# KiCad board k30p-VME.kicad_pcb (continued)
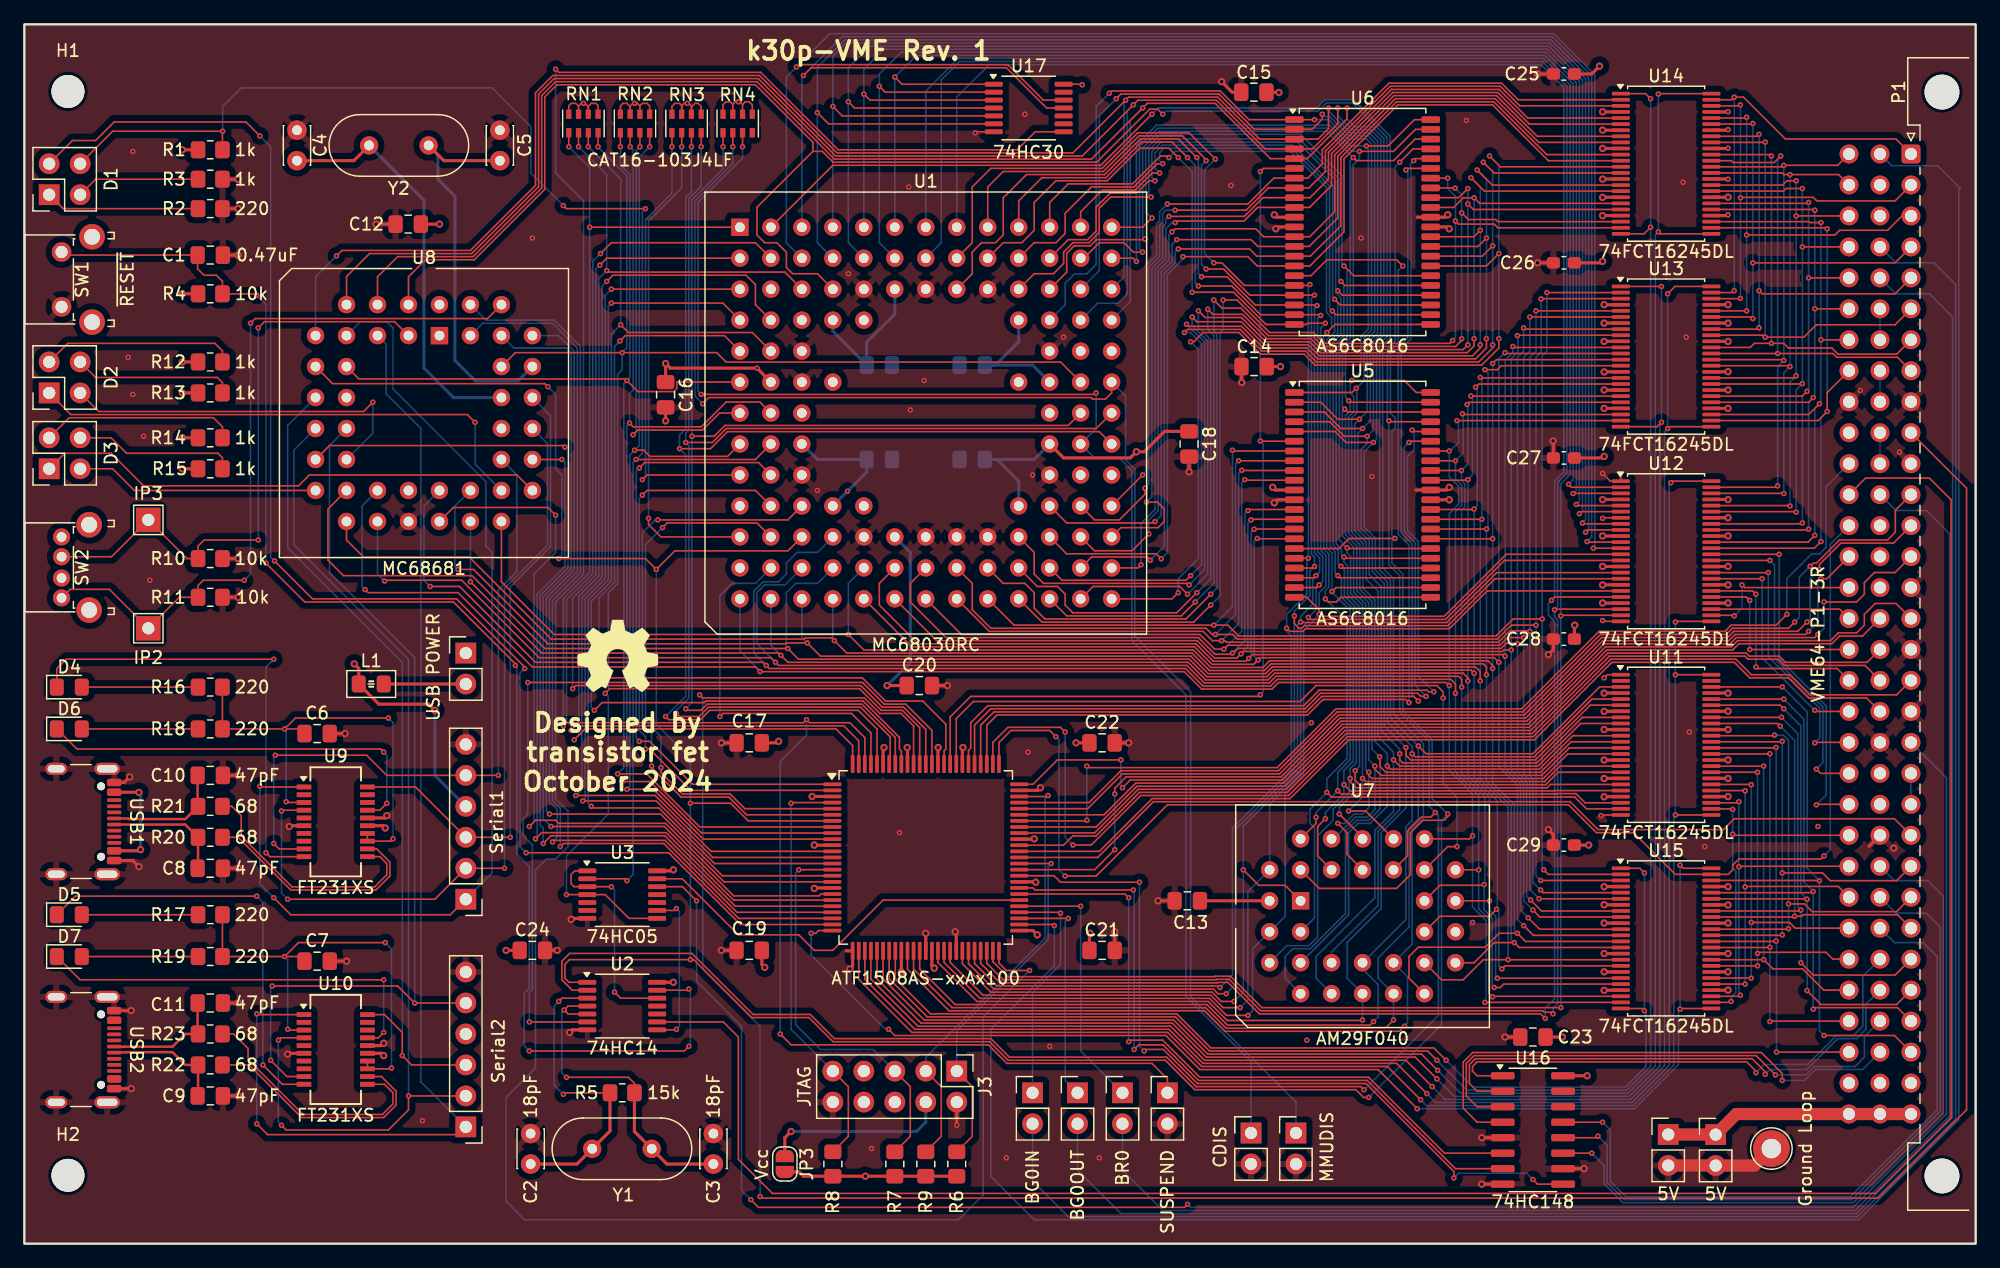
[diagram p0: board, top side]
## Routing (per net, layer and track width the routed paths; a pad name or vN(x,y) marks a point on that pad's centre or on a via; arc(x,y) is an arc through that point) (continued)
~{VBR}: length 21.8
  Top w0.127: v1(86.61,27.67) U4.55
  Bottom w0.127: v1(86.61,27.67) 86.61,15.8 JP7.1
~{VDS0}: length 84.9
  Top w0.127: U4.71 87.19,35.67 90.04,38.53 102.94,38.53 107.76,43.36 122.98,43.36 129.33,49.71 139.66,49.71 140.17,50.22 145.42,50.22 v1(146.18,50.98) ; P1.a13 153.26,57.45 148.95,57.45 147.19,55.7 v1(147.19,55.3)
  Bottom w0.127: v1(146.18,50.98) 146.43,51.23 146.43,54.53 v1(147.19,55.3)
~{VDS1}: length 86.6
  Top w0.127: U4.72 87.3,36.17 89.92,38.79 102.83,38.79 107.66,43.61 122.88,43.61 129.23,49.96 139.55,49.96 140.06,50.47 144.65,50.47 v1(145.16,50.98) ; v1(146.43,55.55) 146.69,55.8 146.94,55.8 148.84,57.71 152.78,57.71 153.42,58.34 153.42,60.15 P1.a12
  Bottom w0.127: v1(145.16,50.98) 145.54,51.36 145.54,54.66 v1(146.43,55.55)
~{VDTACK}: length 81.3
  Top w0.127: P1.a16 153.47,52.5 151.76,52.5 150.88,51.61 150.88,50.72 150.24,50.09 148.74,50.09 148.1,49.45 140.48,49.45 139.98,48.95 129.65,48.95 123.3,42.6 108.08,42.6 103.25,37.77 91.12,37.77 88.53,35.17 U4.70
~{VIACK}: length 33.8
  Top w0.127: U4.56 70.41,28.17 66.29,24.05 64.77,24.05 63.5,25.32 58.55,25.32 53.95,29.93 U3.13
~{VIPL0}: length 63.7
  Top w0.127: U4.60 84.43,30.17 84.96,29.64 v1(91.44,29.64) ; v1(91.82,15.8) 91.95,15.93 93.39,15.93 96.18,13.13 110,13.13 117.22,5.91 v1(117.22,5.39) ; U16.9 124.08,4.88 v1(123.7,5.26)
  Bottom w0.127: v1(123.7,5.26) 123.19,5.77 117.6,5.77 v1(117.22,5.39) ; v1(91.44,29.64) 91.44,16.18 v1(91.82,15.8)
~{VIPL1}: length 57.1
  Top w0.127: v1(90.93,29.01) 82.87,29.01 82.71,29.17 U4.58 ; U16.7 117.35,6.15 110.11,13.39 96.29,13.39 93.37,16.31 91.38,16.31 v1(91,15.93)
  Bottom w0.127: v1(90.93,29.01) 91,28.94 v1(91,15.93)
~{VIPL2}: length 55.5
  Top w0.127: v1(90.55,16.56) 90.68,16.69 93.35,16.69 96.39,13.64 110.24,13.64 116.46,7.42 U16.6 ; v1(90.55,28.37) 90.25,28.67 U4.57
  Bottom w0.127: v1(90.55,16.56) v1(90.55,28.37)
~{VLWORD}: length 114.6
  Top w0.127: v1(147.57,31.8) 147.32,31.55 140.59,31.55 140.08,31.04 140.08,30.66 139.71,30.28 U15.47 135.37,30.28 131.95,33.71 128.91,33.71 126.62,35.99 93.73,35.99 87.88,30.15 v1(85.34,30.15) ; v1(84.58,41.58) 84.07,42.09 80.9,42.09 79.91,41.1 U4.76
  Bottom w0.127: v1(147.57,31.8) 148.08,32.31 148.08,57.35 P1.c13 ; v1(85.34,30.15) 84.84,30.66 84.84,41.33 v1(84.58,41.58)
~{VSYSRESET}: length 180.7
  Top w0.127: U2.9 57.31,18.18 58.55,16.94 58.55,6.91 61.34,4.11 151.76,4.11 157.99,10.34 157.99,61.01 156.21,62.79 150.98,62.79 P1.c12
~{VWRITE}: length 85.8
  Top w0.127: U4.75 82.71,37.67 84.71,39.67 v1(89.92,39.67) ; v1(147.07,49.96) 146.81,49.71 140.38,49.71 139.87,49.2 129.54,49.2 123.19,42.85 107.97,42.85 103.15,38.02 90.68,38.02 v1(90.04,37.39) ; v1(147.57,52.63) 150.24,52.63 150.88,53.26 150.88,54.22 151.7,55.04 153.39,55.04 P1.a14
  Bottom w0.127: v1(147.57,52.63) 147.57,50.47 v1(147.07,49.96) ; v1(90.04,37.39) 89.92,37.52 v1(89.92,39.67)
~{WR}: length 284.4
  Top w0.127: U2.1 44.66,21.43 44.32,21.77 44.32,22.91 44.7,23.29 v1(54.61,23.29) 54.89,23.29 59.64,18.54 64.34,18.54 66.32,16.56 79.14,16.56 80.67,15.04 93.56,15.04 95.97,12.62 109.18,12.62 109.81,11.99 v1(110.24,11.99) ; v1(43.81,56.19) 50.93,56.19 v1(51.82,55.3) 53.34,56.82 62.61,56.82 U1.L3 ; U6.17 105.5,79.39 106.81,80.7 112.52,80.7 v1(113.03,80.19) ; U8.9 25.27,70.54 42.67,70.54 v1(42.93,70.28) ; U7.31 106.17,29.13 112.52,29.13 113.67,30.28 113.67,33.71 114.68,34.72 116.41,34.72 116.71,35.02 v1(116.71,35.23) ; v1(54.61,36.12) 57.91,36.12 59.36,34.67 U4.7 ; v1(112.39,57.84) 108.63,57.84 107.8,57.01 U5.17
  Bottom w0.127: v1(43.81,56.19) 44.07,56.44 44.07,63.04 43.56,63.55 43.56,69.65 v1(42.93,70.28) ; v1(110.24,11.99) 116.2,17.96 116.2,34.72 v1(116.71,35.23) 115.44,36.5 115.44,41.3 113.03,43.72 113.03,54.92 112.14,55.8 112.14,57.58 v1(112.39,57.84) 112.14,58.09 112.14,66.6 112.39,66.85 112.39,67.74 112.01,68.12 112.01,73.22 112.65,73.86 112.65,79.81 v1(113.03,80.19) ; v1(54.61,23.29) v1(54.61,36.12) 54.61,39.8 51.82,42.6 v1(51.82,55.3)
Net-(C1-Pad1): length 118.1
  Top w0.127: v1(54.48,16.18) 54.1,15.8 v1(41.4,15.8) ; U2.13 54.39,20.78 v1(54.48,20.88) ; SW1.2 3.3,81.08 C1.1 14.2,79.96 14.73,79.43 15.75,79.43 16.24,78.93 R4.2 18.92,77.9 v1(19.05,77.78) ; v1(19.81,55.8) 22.99,52.63 35.18,52.63 40.26,47.55 v1(40.26,47.42)
  Bottom w0.127: v1(19.81,55.8) 19.81,77.01 v1(19.05,77.78) ; v1(40.26,47.42) 40.39,47.3 40.39,31.95 41.4,30.94 41.4,20.95 40.98,20.54 40.98,16.22 v1(41.4,15.8) ; v1(54.48,20.88) 54.61,20.75 54.61,16.31 v1(54.48,16.18)
Net-(C2-Pad1): length 25.2
  Top w0.127: v1(43.81,19.86) 44.08,20.13 U2.3 ; v1(44.2,12.24) 44.32,12.37 R5.2
  Top w0.254: C2.1 45.31,6.53 Y1.1 48.02,9.24 R5.2
  Bottom w0.127: v1(43.81,19.86) 43.43,19.48 43.43,13 v1(44.2,12.24)
Net-(C3-Pad1): length 27.1
  Top w0.127: v1(44.45,13.64) 49.53,13.64 50.02,13.15 R5.1 ; U2.5 44.59,18.83 v1(44.26,19.16) 44.58,19.48 U2.4
  Top w0.254: C3.1 52.69,6.53 Y1.2 50.02,9.19 R5.1
  Bottom w0.127: v1(44.26,19.16) 44.07,18.97 44.07,14.02 v1(44.45,13.64)
Net-(D1-K1): length 10.2
  Top w0.127: R3.2 5.84,87.3 D1.2
Net-(D1-K2): length 12.7
  Top w0.127: D1.4 3.18,84.89 R2.2
Net-(D2-A1): length 13.2
  Top w0.127: D2.1 5.84,71.04 15.81,71.04 16.24,70.62 R13.1
Net-(D2-A2): length 16
  Top w0.127: D2.3 3.56,73.84 15.62,73.84 16.24,73.22 R12.1
Net-(D2-K1): length 30.5
  Top w0.127: D2.2 6.1,68.25 27.81,68.25 v1(28.58,69.01)
  Bottom w0.127: v1(28.58,69.01) 28.58,66.47 U8.16
Net-(D2-K2): length 42.4
  Top w0.127: D2.4 3.81,68 36.32,68 v1(36.96,67.36)
  Bottom w0.127: U8.30 36.96,63.93 v1(36.96,67.36)
Net-(D3-A1): length 13.3
  Top w0.127: R15.1 16.24,64.46 15.88,64.82 8.38,64.82 7.11,66.09 D3.1
Net-(D3-A2): length 16.1
  Top w0.127: D3.3 3.68,67.74 15.49,67.74 16.24,67 R14.1
Net-(D3-K1): length 20
  Top w0.127: D3.2 7.24,63.55 9.02,61.77 U8.17
Net-(D3-K2): length 42.1
  Top w0.127: D3.4 3.3,64.82 7.11,64.82 9.78,62.15 22.48,62.15 23.37,63.04 40.39,63.04 U8.29
Net-(D4-A): length 9.5
  Top w0.127: R16.2 D4.2
Net-(D4-K): length 39
  Top w0.127: v1(19.81,32.06) 20.13,31.74 U9.10 ; v1(20.45,47.93) 3.43,47.93 2.66,47.16 D4.1
  Bottom w0.127: v1(19.81,32.06) 19.81,47.3 v1(20.45,47.93)
Net-(D5-A): length 9.5
  Top w0.127: R17.2 D5.2
Net-(D5-K): length 35.1
  Top w0.127: D5.1 4.18,28.5 v1(19.05,28.5) ; U10.10 21.15,13.07 v1(19.56,14.66)
  Bottom w0.127: v1(19.05,28.5) 19.56,27.99 v1(19.56,14.66)
Net-(D6-A): length 9.5
  Top w0.127: R18.2 D6.2
Net-(D6-K): length 33.7
  Top w0.127: D6.1 4.31,40.56 29.21,40.56 v1(29.46,40.31) ; U9.17 29.15,35.55 v1(29.72,36.12)
  Bottom w0.127: v1(29.46,40.31) 29.72,40.06 v1(29.72,36.12)
Net-(D7-A): length 9.5
  Top w0.127: R19.2 D7.2
Net-(D7-K): length 33.4
  Top w0.127: v1(29.46,17.32) 29.02,16.88 U10.17 ; D7.1 4.56,21.64 v1(29.46,21.64)
  Bottom w0.127: v1(29.46,17.32) v1(29.46,21.64)
Net-(J3-Pin_4): length 15.2
  Top w0.254: JP3.1 62.36,8.69 v2(62.86,9.19)
  Bottom w0.254: v2(62.86,9.19) 73.15,9.19 73.91,9.96 J3.4
Net-(JP4-B): length 6.7
  Top w0.254: JP4.2 L1.2
Net-(P1A-~{IACKIN}): length 2.5
  Bottom w0.127: P1.a21 P1.a22
Net-(P1A-~{IACK}): length 163.4
  Top w0.127: U3.12 53.96,29.28 v1(55.12,28.12) ; v1(59.56,3.61) 60.2,2.97 95.12,2.97 v1(95.38,3.23)
  Bottom w0.127: v1(59.56,3.61) 58.8,4.37 58.8,17.83 55.12,21.51 v1(55.12,28.12) ; P1.a20 157.61,38.2 157.61,10.64 149.94,2.97 95.63,2.97 v1(95.38,3.23)
Net-(P1B-~{BG1IN}): length 2.5
  Bottom w0.127: P1.b6 P1.b7
Net-(P1B-~{BG2IN}): length 2.5
  Bottom w0.127: P1.b8 P1.b9
Net-(P1B-~{BG3IN}): length 2.5
  Bottom w0.127: P1.b10 P1.b11
Net-(P1B-~{IRQ1}): length 44.2
  Top w0.127: U16.4 119.13,9.96 117.98,11.1 117.98,14.89 118.77,15.67 142.43,15.67 144.14,13.96 v1(144.14,13.39)
  Bottom w0.127: v1(144.14,13.39) 145.98,13.39 146.87,14.28 150.73,14.28 P1.b30
Net-(P1B-~{IRQ2}): length 43.7
  Top w0.127: v1(143.58,13.84) 142.01,15.42 118.87,15.42 118.24,14.78 118.24,12.12 119.13,11.23 U16.3
  Bottom w0.127: P1.b29 150.88,16.97 150.88,15.29 150.11,14.53 146.77,14.53 146.08,13.84 v1(143.58,13.84)
Net-(P1B-~{IRQ3}): length 43.1
  Top w0.127: U16.2 119.13,12.5 118.49,13.13 118.49,14.68 118.98,15.16 141.68,15.16 142.75,14.1 v1(142.75,13.89)
  Bottom w0.127: P1.b28 151,19.63 151,17.58 150.24,16.81 148.7,16.81 146.16,14.28 143.13,14.28 v1(142.75,13.89)
Net-(P1B-~{IRQ4}): length 43.3
  Top w0.127: U16.1 119.13,13.77 118.74,14.15 118.74,14.53 119.13,14.91 141.22,14.91 141.99,14.15 v1(141.99,14.02)
  Bottom w0.127: P1.b27 150.75,21.92 150.75,17.83 149.99,17.07 148.59,17.07 146.21,14.69 142.66,14.69 v1(141.99,14.02)
Net-(P1B-~{IRQ5}): length 56.8
  Top w0.127: v1(129.41,9.96) U16.13
  Bottom w0.127: v1(129.41,9.96) 130.05,9.32 130.05,5.11 131.3,3.86 149.73,3.86 156.85,10.97 156.85,23.55 155.7,24.69 153.34,24.69 P1.b26
Net-(P1B-~{IRQ6}): length 59
  Top w0.127: U16.12 128.91,8.69 v1(129.03,8.81)
  Bottom w0.127: v1(129.03,8.81) 129.79,8.05 129.79,5 131.19,3.61 149.84,3.61 157.1,10.87 157.1,25.96 155.96,27.1 153.47,27.1 P1.b25
Net-(P1B-~{IRQ7}): length 60.8
  Top w0.127: v1(128.52,7.42) U16.11
  Bottom w0.127: P1.b24 153.34,29.77 156.08,29.77 157.35,28.5 157.35,10.74 149.97,3.35 131.09,3.35 129.54,4.9 129.54,6.4 v1(128.52,7.42)
Net-(RN2-R3.1): length 34.5
  Top w0.127: v1(50.47,89.97) RN2.3 ; U1.G1 57,68.12 55.6,66.73 50.29,66.73 v1(49.91,66.34)
  Bottom w0.127: v1(49.91,66.34) 50.17,66.6 50.17,89.66 v1(50.47,89.97)
Net-(RN3-R1.1): length 37.6
  Top w0.127: v1(53.1,89.97) RN3.1 ; v1(50.67,62.66) 51.05,63.04 U1.J1
  Bottom w0.127: v1(50.67,62.66) 50.93,62.92 50.93,83.98 53.1,86.15 v1(53.1,89.97)
Net-(RN3-R2.1): length 41.2
  Top w0.127: v1(53.9,89.97) RN3.2 ; v1(51.18,59.49) 51.18,58.98 52.2,57.96 U1.L1
  Bottom w0.127: v1(53.9,89.97) 53.9,86.59 51.18,83.87 v1(51.18,59.49)
Net-(SW2A-C): length 61.3
  Top w0.127: U8.40 37.97,75.87 18.92,75.87 v1(18.54,75.49) ; SW2.1 3.75,53.66 6.97,53.66 TP6.1 12.7,53.01 R11.1 14.24,53.98 14.67,54.41 v1(18.03,54.41)
  Bottom w0.127: v1(18.03,54.41) 18.54,54.92 v1(18.54,75.49)
Net-(SW2B-C): length 50.3
  Top w0.127: U8.3 30.35,75.62 19.69,75.62 v1(19.18,75.11) ; v1(19.18,57.71) 14.73,57.71 14.24,57.22 R10.1 13.34,56.19 TP5.1 7.14,56.34 SW2.3
  Bottom w0.127: v1(19.18,75.11) v1(19.18,57.71)
Net-(U2-Pad8): length 13.4
  Top w0.127: U2.8 53.42,17.53 v1(53.47,17.58) ; U3.9 53.31,27.33 v1(53.47,27.48)
  Bottom w0.127: v1(53.47,27.48) 53.7,27.25 53.7,17.81 v1(53.47,17.58)
Net-(U2-Pad12): length 18.1
  Top w0.127: v1(48.39,20.62) 48.88,20.13 U2.12 ; U3.1 45.13,30.58 44.83,30.28 44.83,29.52 45.07,29.28 U3.3 48.12,29.28 v1(48.13,29.26)
  Bottom w0.127: v1(48.39,20.62) 48.39,29.01 v1(48.13,29.26)
Net-(U8-X1/CLK): length 33.9
  Top w0.254: C4.2 27.02,88.82 28.27,90.07
  Bottom w0.254: U8.36 35.18,69.39 32.77,71.81 32.77,85.58 28.27,90.07
Net-(U8-X2): length 32.4
  Top w0.254: C5.2 34.4,88.82 Y2.1
  Bottom w0.254: U8.37 40.49,70.76 36.98,70.76 35.31,72.44 35.31,85.9 33.91,87.3 33.91,89.31 Y2.1
Net-(U9-3V3OUT): length 39.6
  Top w0.127: C6.1 22.58,42.22 R18.1 R16.1 ; v1(21.34,42.22) 22.23,43.1 v1(29.84,43.1) ; v1(30.23,33.2) 30.04,33.01 U9.13 U9.14 ; v1(21.46,36.25) 21.53,36.18 U9.3
  Bottom w0.127: v1(30.23,33.2) 30.23,42.72 v1(29.84,43.1) ; v1(21.34,42.22) 21.46,42.09 v1(21.46,36.25)
Net-(U9-USBDM): length 19.4
  Top w0.127: R20.2 17.53,33.33 21.84,29.01 28.83,29.01 29.97,30.15 29.97,31.29 28.89,32.37 U9.12
Net-(U9-USBDP): length 20.3
  Top w0.127: U9.11 29.15,31.74 29.72,31.17 29.72,30.26 28.72,29.26 21.95,29.26 17.78,33.43 17.78,35.1 17.02,35.86 R21.2
Net-(U10-3V3OUT): length 39.6
  Top w0.127: v1(21.59,17.58) 21.65,17.51 U10.3 ; U10.14 U10.13 30.04,14.34 v1(30.1,14.4) ; v1(21.34,23.55) 22.48,24.69 v1(29.59,24.69) ; C7.1 22.58,23.55 R19.1 R17.1
  Bottom w0.127: v1(21.59,17.58) 21.59,23.29 v1(21.34,23.55) ; v1(29.59,24.69) 30.1,24.18 v1(30.1,14.4)
Net-(U10-USBDM): length 20.4
  Top w0.127: U10.12 29.27,13.7 30.48,12.5 30.48,11.35 29.46,10.34 22.73,10.34 18.41,14.66 R22.2
Net-(U10-USBDP): length 20.9
  Top w0.127: U10.11 29.53,13.07 30.23,12.37 30.23,11.46 29.36,10.59 22.84,10.59 18.34,15.09 18.34,16 17.15,17.2 R23.2
Net-(U17-Pad8): length 207.1
  Top w0.127: U4.50 79.91,23.01 80.52,22.4 v1(82.42,22.4) ; U17.8 82.89,91.19 81.41,89.71 66.74,89.71 60.39,96.06 43.81,96.06 v1(43.56,96.32)
  Bottom w0.127: v1(82.42,22.4) 78.61,18.59 78.61,3.99 76.58,1.96 41.02,1.96 39.5,3.48 39.5,11.99 41.91,14.4 41.91,30.66 42.8,31.55 43.56,31.55 44.58,32.56 44.58,35.48 43.56,36.5 43.56,52.63 45.85,54.92 45.85,85.52 43.56,87.81 v1(43.56,96.32)

## Copper pours and planes (outline as drawn; the poured copper is in the pictures)
+5V on In1.Cu: 0,100 160.02,100 160.02,-0.08 0,-0.08
GND on Top: 0,100 160.02,100 160.02,-0.08 0,-0.08
GND on Bottom: 0,100 160.02,100 160.02,-0.08 0,-0.08
GND on In2.Cu: 0,100 160.02,100 160.02,-0.08 0,-0.08

## Text on the board
F.Silkscreen: Designed by / transistor fet / October 2024 | k30p-VME Rev. 1
